# KiCad board clarinoid-devboard.kicad_pcb
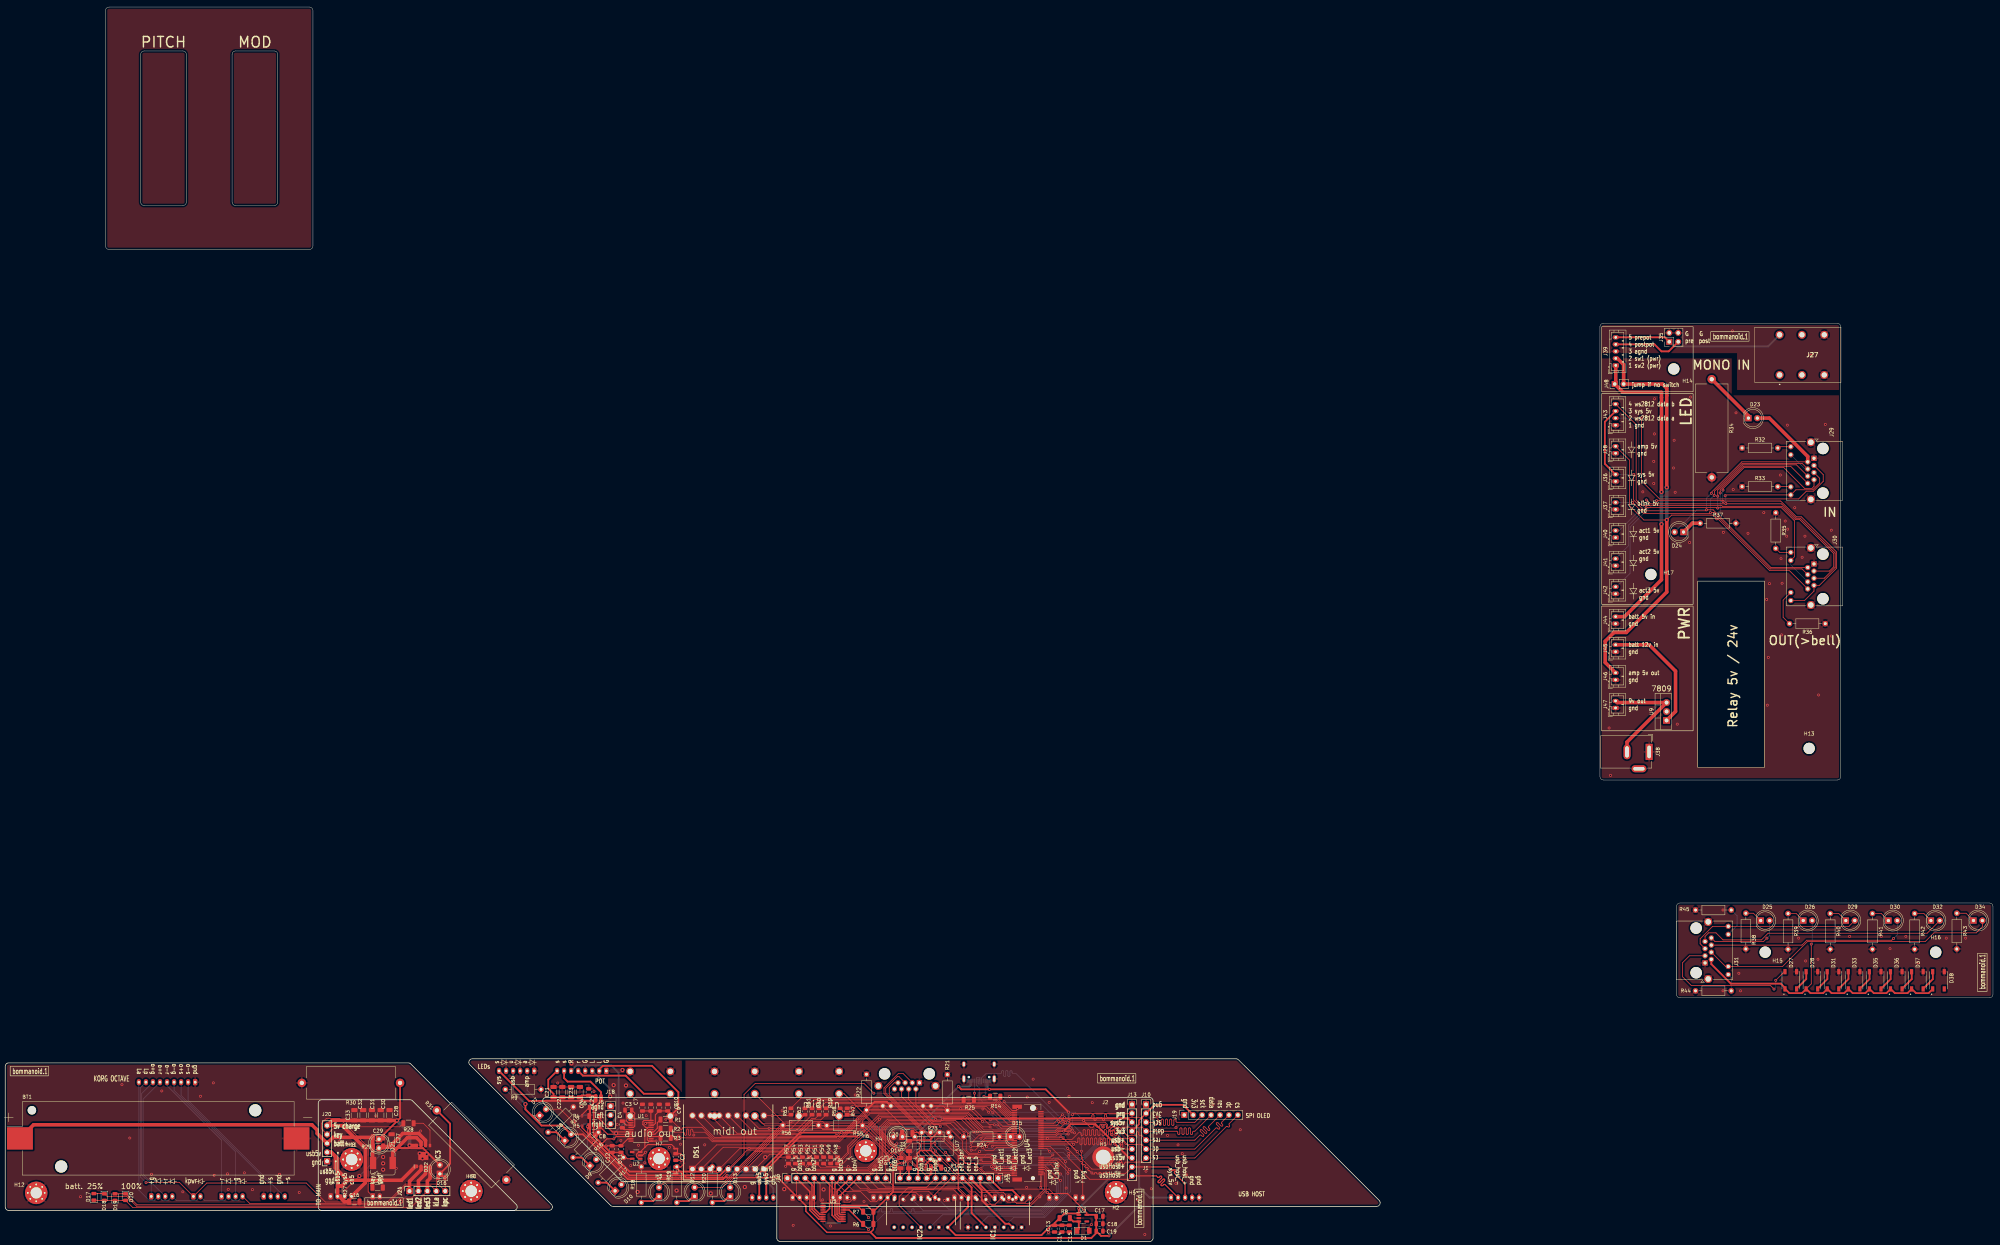
[diagram p0: board, top side]
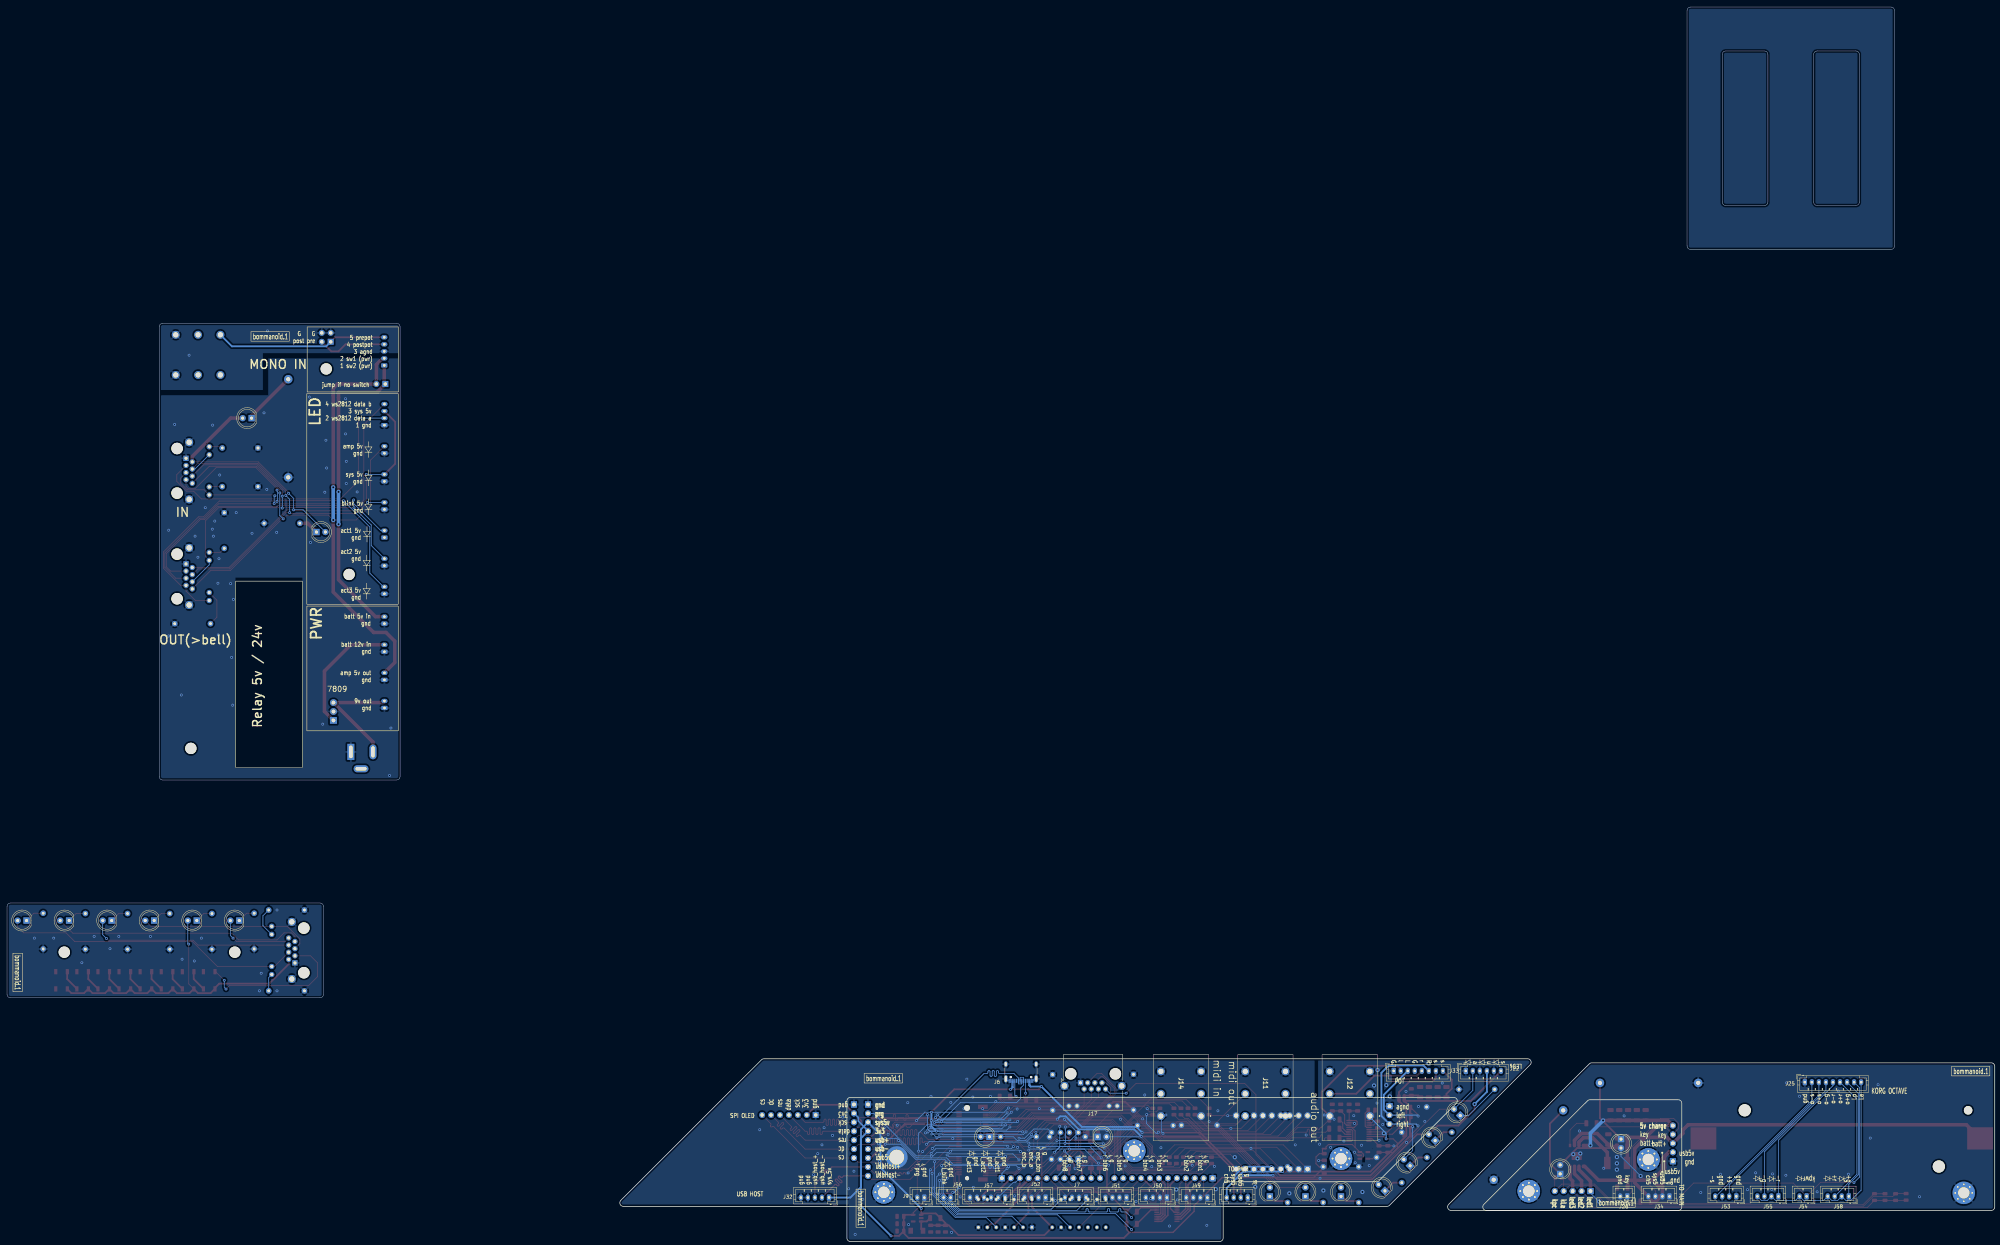
[diagram p1: board, bottom side, seen from below]

Outline 565.28 x 351.34 mm; copper layers: Top, Bottom. Coordinates in mm from the lower left corner of the outline.
Outline path: 132.83,52 131.91,51.38 132.13,50.29 172.13,10.29 172.45,10.08 172.83,10 390.01,10 390.93,10.62 390.71,11.71 350.71,51.71 350.39,51.92 350.01,52 closed ; 89,9.84 89.29,9.13 90,8.84 144.59,8.84 145.51,9.46 145.29,10.55 115.79,40.05 115.47,40.26 115.09,40.34 90,40.34 89.29,40.05 89,39.34 closed ; 115.29,50.55 114.97,50.76 114.59,50.84 1,50.84 0.29,50.55 0,49.84 0,9.84 0.29,9.13 1,8.84 154.59,8.84 155.51,9.46 155.29,10.55 closed ; 175.83,17 175.45,17.08 175.13,17.29 153.13,39.29 152.91,40.38 153.83,41 325.42,41 326.13,40.71 326.42,40 326.42,1 326.13,0.29 325.42,0 220.42,0 219.71,0.29 219.42,1 219.42,16 219.13,16.71 218.42,17 closed ; 28.5,350.34 arc(28.79,351.05) 29.5,351.34 86.5,351.34 arc(87.21,351.05) 87.5,350.34 87.5,283.34 arc(87.21,282.63) 86.5,282.34 29.5,282.34 arc(28.79,282.63) 28.5,283.34 28.5,350.34 ; 38.5,337.84 arc(38.79,338.55) 39.5,338.84 50.5,338.84 arc(51.21,338.55) 51.5,337.84 51.5,295.84 arc(51.21,295.13) 50.5,294.84 39.5,294.84 arc(38.79,295.13) 38.5,295.84 38.5,337.84 ; 64.5,337.84 arc(64.79,338.55) 65.5,338.84 76.5,338.84 arc(77.21,338.55) 77.5,337.84 77.5,295.84 arc(77.21,295.13) 76.5,294.84 65.5,294.84 arc(64.79,295.13) 64.5,295.84 64.5,337.84 ; 453.5,260.34 453.5,132.34 arc(453.79,131.63) 454.5,131.34 521,131.34 arc(521.71,131.63) 522,132.34 522,260.34 arc(521.71,261.05) 521,261.34 454.5,261.34 arc(453.79,261.05) 453.5,260.34 ; 475.28,95.34 arc(475.57,96.05) 476.28,96.34 564.28,96.34 arc(564.98,96.05) 565.28,95.34 565.28,70.34 arc(564.98,69.63) 564.28,69.34 476.28,69.34 arc(475.57,69.63) 475.28,70.34 475.28,95.34
Stack: Top 0.035mm / dielectric 1.51mm FR4 er 4.5 / Bottom 0.035mm

## Placement (name value [footprint] x y rotation side)
BT1  Battery_Cell  [BatteryHolder_Keystone_1042_1x18650]  43.5 29.34 0 top
C1  10uF  [C_0805_2012Metric]  190.68 20.25 270 top
C2  0.1uF  [C_0805_2012Metric]  190.68 24.05 270 top
C3  2.2uF  [C_0805_2012Metric]  177.19 37.4 0 top
C4  2.2uF  [C_0805_2012Metric]  175.5 33.3 90 top
C5  2.2uF  [C_0805_2012Metric]  167.09 38.2 0 top
C6  10uF  [C_0805_2012Metric]  185.99 38.1 90 top
C7  10uF  [C_0805_2012Metric]  181.19 38.1 270 top
C8  2.2uF  [C_0805_2012Metric]  167.04 30.3 0 top
C9  0.1uF  [C_0805_2012Metric]  188.39 38.1 90 top
C10  0.1uF  [C_0805_2012Metric]  183.59 38.1 270 top
C11  10uF  [C_0805_2012Metric]  175.09 26.3 90 top
C12  0.1uF  [C_0805_2012Metric]  172.59 26.3 90 top
C13  10uF  [C_0805_2012Metric]  298.39 3.65 270 top
C14  0.22uF  [C_0805_2012Metric]  300.49 3.65 270 top
C15  0.1uF  [C_0805_2012Metric]  302.59 3.65 270 top
C16  10uF  [C_1206_3216Metric]  99.27 11.34 0 top
C17  1uF  [C_0805_2012Metric]  311.21 7.15 0 top
C18  0.22uF  [C_0805_2012Metric]  311.21 5.05 0 top
C19  0.1uF  [C_0805_2012Metric]  311.21 2.95 0 top
C20  0.1uF  [C_1206_3216Metric]  256.52 30.9 180 top
C21  22uF  [C_1206_3216Metric]  155.92 42.5 90 top
C22  22uF  [C_1206_3216Metric]  158.42 42.5 90 top
C23  22uF  [C_1206_3216Metric]  160.92 42.5 90 top
C24  22uF  [C_1206_3216Metric]  163.42 42.5 90 top
C25  0.1uF  [C_0805_2012Metric]  165.92 42.5 90 top
C26  10uF  [C_1206_3216Metric]  105.9 15.34 0 top
C27  22uF  [C_1206_3216Metric]  109.88 29.04 90 top
C28  22uF  [C_1206_3216Metric]  109.27 35.94 90 top
C29  22uF  [C_1206_3216Metric]  105.97 29.64 0 top
C30  22uF  [C_1206_3216Metric]  106.77 35.94 90 top
C31  22uF  [C_1206_3216Metric]  104.27 35.94 90 top
C32  22uF  [C_1206_3216Metric]  101.77 35.94 90 top
C33  0.1uF  [C_1206_3216Metric]  99.27 35.94 90 top
D1  3.3v  [D_MiniMELF]  306.53 3.05 0 top
D2  1N4148WS  [D_SOD-323]  260.72 21 180 top
D7  LED  [LED_D5.0mm_withbottomtext]  151.98 35.85 45 top
D8  LED  [LED_D5.0mm_withbottomtext]  159.12 28.7 45 top
D9  LED  [LED_D5.0mm_withbottomtext]  166.27 21.56 45 top
D10  LED  [LED_D5.0mm_withbottomtext]  173.42 14.41 45 top
D11  LED  [LED_D5.0mm_withbottomtext]  185.92 12.84 90 top
D12  LED  [LED_D5.0mm_withbottomtext]  196.03 12.84 90 top
D13  LED  [LED_D5.0mm_withbottomtext]  206.14 12.84 90 top
D14  LED  [LED_D5.0mm_withbottomtext]  255.14 29.8 180 top
D15  LED  [LED_D5.0mm_withbottomtext]  285.86 29.8 0 top
D16  korgpwr  [LED_0805_2012Metric]  124.07 18.24 180 top
D17  25%  [LED_0805_2012Metric]  25.2 12.7 90 top
D18  50%  [LED_0805_2012Metric]  28.2 12.64 270 top
D19  75%  [LED_0805_2012Metric]  31.2 12.64 90 top
D20  100%  [LED_0805_2012Metric]  34.2 12.64 270 top
D21  LED  [LED_D5.0mm_withbottomtext]  106.28 29.14 270 top
D22  LED  [LED_D5.0mm_withbottomtext]  123.58 19.24 90 top
D23  LED  [LED_D5.0mm_withbottomtext]  495.72 234.34 0 top
D24  LED  [LED_D5.0mm_withbottomtext]  477.28 201.92 180 top
D25  LED  [LED_D5.0mm_withbottomtext]  499.22 91.34 0 top
D26  LED  [LED_D5.0mm_withbottomtext]  511.32 91.34 0 top
D27  WS2812B  [LED_WS2812B-B Worldsemi]  507.78 74.34 90 top
D28  WS2812B  [LED_WS2812B-B Worldsemi]  513.78 74.34 90 top
D29  LED  [LED_D5.0mm_withbottomtext]  523.42 91.34 0 top
D30  LED  [LED_D5.0mm_withbottomtext]  535.53 91.34 0 top
D31  WS2812B  [LED_WS2812B-B Worldsemi]  519.78 74.34 90 top
D32  LED  [LED_D5.0mm_withbottomtext]  547.62 91.34 0 top
D33  WS2812B  [LED_WS2812B-B Worldsemi]  525.78 74.34 90 top
D34  LED  [LED_D5.0mm_withbottomtext]  559.72 91.34 0 top
D35  WS2812B  [LED_WS2812B-B Worldsemi]  531.78 74.34 90 top
D36  WS2812B  [LED_WS2812B-B Worldsemi]  537.78 74.34 90 top
D37  WS2812B  [LED_WS2812B-B Worldsemi]  543.78 74.34 90 top
D38  WS2812B  [LED_WS2812B-B Worldsemi]  549.78 74.34 90 top
DS1  PDC54-11GWA  [DIPS1524W75P254L2520H805Q18N]  195.42 20.6 90 top
H1  M.2 riser 2.5mm  [Sinhoo SMTSO2530CTJ]  312.26 24 0 top
H2  MountingHole_Pad  [MountingHole_3.2mm_M3_Pad_Via]  315.92 14 0 top
H3  MountingHole_Pad  [MountingHole_3.2mm_M3_Pad_Via]  185.92 23.6 0 top
H4  MountingHole_Pad  [MountingHole_3.2mm_M3_Pad_Via]  244.72 25.8 0 top
H5  MountingHole_Pad  [MountingHole_3.2mm_M3_Pad_Via]  315.92 14 0 top
H6  MountingHole_Pad  [MountingHole_3.2mm_M3_Pad_Via]  244.72 25.8 0 top
H7  MountingHole_Pad  [MountingHole_3.2mm_M3_Pad_Via]  185.92 23.6 0 top
H8  MountingHole_Pad  [MountingHole_3.2mm_M3_Pad_Via]  98.5 23.34 0 top
H9  MountingHole_Pad  [MountingHole_3.2mm_M3_Pad_Via]  132.5 14.34 0 top
H10  MountingHole_Pad  [MountingHole_3.2mm_M3_Pad_Via]  132.5 14.34 0 top
H11  MountingHole_Pad  [MountingHole_3.2mm_M3_Pad_Via]  98.5 23.34 0 top
H12  MountingHole_Pad  [MountingHole_3.2mm_M3_Pad_Via]  8.8 13.84 0 top
H13  MountingHole_Pad  [MountingHole_3.2mm_M3]  513 140.34 0 top
H14  MountingHole_Pad  [MountingHole_3.2mm_M3]  474.5 248.34 0 top
H15  MountingHole_Pad  [MountingHole_3.2mm_M3]  500.5 82.34 0 top
H16  MountingHole  [MountingHole_3.2mm_M3]  549 82.34 0 top
H17  MountingHole_Pad  [MountingHole_3.2mm_M3]  468 189.84 0 top
IC1  SN74AHCT125N  [DIP794W53P254L1930H508Q14N]  281.42 8 90 top
IC2  SN74AHCT125N  [DIP794W53P254L1930H508Q14N]  260.42 8 270 top
IC3  Injoinic IP5306 battery charge  [SOIC127P599X155-9N (IP5306)]  118.88 24.34 90 top
J1  Conn_01x07  [PinHeader_1x07_P2.54mm_Vertical]  324.42 39 0 top
J2  Conn_01x09  [PinHeader_1x09_P2.54mm_Vertical]  320.42 39 0 top
J3  Conn_01x12  [PinHeader_1x12_P2.54mm_Vertical]  282.36 18 270 top
J4  Conn_01x12  [PinHeader_1x12_P2.54mm_Vertical]  222.44 18 90 top
J5  Conn_01x03  [PinHeader_1x03_P2.54mm_Vertical]  172.12 38.5 0 top
J6  XKB_U262-16XN-4BVC11 USB-C recept  [USB_C_Receptacle_XKB_U262-16XN-4BVC11]  276.92 49.4 0 bottom
J7  Conn_01x04  [JST_PH_B4B-PH-K_1x04_P2.00mm_Vertical]  258.42 12.5 0 bottom
J8  Conn_01x04  [JST_PH_B4B-PH-K_1x04_P2.00mm_Vertical]  212.42 12.5 0 bottom
J9  Conn_01x02  [JST_PH_B2B-PH-K_1x02_P2.00mm_Vertical]  304.42 12.5 0 bottom
J10  Conn_01x07  [PinSocket_1x07_P2.54mm_Vertical]  324.42 39 0 top
J11  Amphenol ACJS-MHOM  [ACJSMHOM]  201.7 35.7 90 bottom
J12  Amphenol ACJS-MHOM  [ACJSMHOM]  177.7 35.7 90 bottom
J13  Conn_01x09  [PinSocket_1x09_P2.54mm_Vertical]  320.42 39 0 top
J14  Amphenol ACJS-MHOM  [ACJSMHOM]  225.7 35.7 90 bottom
J15  Conn_01x12  [PinSocket_1x12_P2.54mm_Vertical]  282.36 18 270 top
J16  Conn_01x12  [PinSocket_1x12_P2.54mm_Vertical]  222.42 18 90 top
J17  RJ45_LED_Shielded  [RJ45_Amphenol_RJHSE538X]  259.98 45.18 180 bottom
J18  Conn_01x03  [PinSocket_1x03_P2.54mm_Vertical]  172.12 38.5 0 top
J19  Conn_01x07  [PinSocket_1x07_P2.54mm_Vertical]  335.3 36 90 top
J20  Conn_01x05  [PinSocket_1x05_P2.54mm_Vertical]  91.52 22.84 180 top
J21  Conn_01x05  [PinSocket_1x05_P2.54mm_Vertical]  114.96 14.34 90 top
J22  Conn_01x06  [JST_PH_B6B-PH-K_1x06_P2.00mm_Vertical]  150.42 48.55 180 bottom
J23  Conn_01x05  [PinSocket_1x05_P2.54mm_Vertical]  91.52 22.84 180 top
J24  Conn_01x05  [PinSocket_1x05_P2.54mm_Vertical]  114.96 14.34 90 top
J25  Conn_01x09  [JST_PH_B9B-PH-K_1x09_P2.00mm_Vertical]  54 45.34 180 bottom
J26  Conn_01x02  [JST_PH_B2B-PH-K_1x02_P2.00mm_Vertical]  104.5 12.84 0 bottom
J27  Amphenol ACJS-MHOM  [ACJSMHOM]  504.6 246.62 0 top
J28  Conn_01x02  [JST_PH_B2B-PH-K_1x02_P2.00mm_Vertical]  457.95 224.34 90 top
J29  RJ45_LED_Shielded  [RJ45_Amphenol_RJHSE538X]  514.38 222.9 270 top
J30  RJ45_LED_Shielded  [RJ45_Amphenol_RJHSE538X]  514.38 192.84 270 top
J31  RJ45_LED_Shielded  [RJ45_Amphenol_RJHSE538X]  483.4 79.28 90 top
J32  USB_A  [JST_PH_B5B-PH-K_1x05_P2.00mm_Vertical]  331.52 12.5 0 bottom
J33  Conn_01x08  [JST_PH_B8B-PH-K_1x08_P2.00mm_Vertical]  170.92 48.55 180 bottom
J34  Conn_01x04  [JST_PH_B4B-PH-K_1x04_P2.00mm_Vertical]  92.5 12.84 0 bottom
J35  Conn_02x02_Odd_Even  [PinHeader_2x02_P2.54mm_Vertical]  473.22 256.06 90 top
J36  Conn_01x02  [JST_PH_B2B-PH-K_1x02_P2.00mm_Vertical]  457.95 216.34 90 top
J37  Conn_01x02  [JST_PH_B2B-PH-K_1x02_P2.00mm_Vertical]  457.95 208.34 90 top
J38  Barrel_Jack_MountingPin  [BarrelJack_GCT_DCJ200-10-A_Horizontal]  467.5 139.34 270 top
J39  Conn_01x03  [JST_PH_B5B-PH-K_1x05_P2.00mm_Vertical]  458 249.34 90 top
J40  Conn_01x02  [JST_PH_B2B-PH-K_1x02_P2.00mm_Vertical]  457.95 200.34 90 top
J41  Conn_01x02  [JST_PH_B2B-PH-K_1x02_P2.00mm_Vertical]  457.95 192.34 90 top
J42  Conn_01x02  [JST_PH_B2B-PH-K_1x02_P2.00mm_Vertical]  457.95 184.34 90 top
J43  Conn_01x04  [JST_PH_B4B-PH-K_1x04_P2.00mm_Vertical]  457.95 232.34 90 top
J44  Conn_01x02  [JST_PH_B2B-PH-K_1x02_P2.00mm_Vertical]  457.95 175.84 90 top
J45  Conn_01x02  [JST_PH_B2B-PH-K_1x02_P2.00mm_Vertical]  457.95 167.84 90 top
J46  Conn_01x02  [JST_PH_B2B-PH-K_1x02_P2.00mm_Vertical]  457.95 159.84 90 top
J47  Conn_01x02  [JST_PH_B2B-PH-K_1x02_P2.00mm_Vertical]  457.95 151.84 90 top
J48  Conn_01x02  [PinHeader_1x02_P2.54mm_Vertical]  457.7 244.04 90 top
J49  Conn_01x04  [JST_PH_B4B-PH-K_1x04_P2.00mm_Vertical]  223.92 12.5 0 bottom
J50  Conn_01x04  [JST_PH_B4B-PH-K_1x04_P2.00mm_Vertical]  235.42 12.5 0 bottom
J51  Conn_01x04  [JST_PH_B4B-PH-K_1x04_P2.00mm_Vertical]  246.92 12.5 0 bottom
J52  Conn_01x04  [JST_PH_B4B-PH-K_1x04_P2.00mm_Vertical]  269.92 12.5 0 bottom
J53  Conn_01x04  [JST_PH_B4B-PH-K_1x04_P2.00mm_Vertical]  73.5 12.84 0 bottom
J54  Conn_01x02  [JST_PH_B2B-PH-K_1x02_P2.00mm_Vertical]  53.5 12.84 0 bottom
J55  Conn_01x04  [JST_PH_B4B-PH-K_1x04_P2.00mm_Vertical]  61.5 12.84 0 bottom
J56  Conn_01x02  [JST_PH_B2B-PH-K_1x02_P2.00mm_Vertical]  296.92 12.5 0 bottom
J57  Conn_01x06  [JST_PH_B6B-PH-K_1x06_P2.00mm_Vertical]  281.42 12.5 0 bottom
J58  Conn_01x04  [JST_PH_B4B-PH-K_1x04_P2.00mm_Vertical]  41.5 12.84 0 bottom
L1  1uH-psa  [Inductor_MCS0630-1R0MN2]  107.38 25.74 180 top
NT1  NetTie_2  [NetTie-2_SMD_Pad0.5mm]  190.68 26.43 180 top
NT2  NetTie_2  [NetTie-2_SMD_Pad1.0mm]  471 241.34 270 top
NT3  NetTie_2  [NetTie-2_SMD_Pad1.0mm]  472.5 241.84 270 top
NT4  NetTie_2  [NetTie-2_SMD_Pad1.0mm]  169.42 41.15 270 top
NT5  NetTie_2  [NetTie-2_SMD_Pad1.0mm]  167.92 41.15 270 top
R1  22R  [R_1206_3216Metric]  187.8 34.7 180 top
R2  22R  [R_1206_3216Metric]  187.8 32.1 180 top
R3  22R  [R_1206_3216Metric]  187.8 29.5 180 top
R4  470R  [R_1206_3216Metric]  167.54 35.7 180 top
R5  470R  [R_1206_3216Metric]  167.54 32.8 180 top
R6  4.7k  [R_1206_3216Metric]  245.42 5 0 top
R7  4.7k  [R_1206_3216Metric]  245.42 8.5 0 top
R8  100k  [R_1206_3216Metric]  301.3 6.65 180 top
R9  R  [R_Axial_DIN0207_L6.3mm_D2.5mm_P10.16mm_Horizontal]  142.22 43.3 0 top
R10  220R  [R_1206_3216Metric]  264.72 21 0 top
R11  470R  [R_1206_3216Metric]  257.02 27.2 90 top
R12  47R  [R_1206_3216Metric]  257.02 22.3 90 top
R13  47R  [R_1206_3216Metric]  254.52 22.3 90 top
R14  5.1k  [R_1206_3216Metric]  281.52 41.2 180 top
R15  R  [R_Axial_DIN0207_L6.3mm_D2.5mm_P10.16mm_Horizontal]  154.38 31.11 45 top
R16  R  [R_Axial_DIN0207_L6.3mm_D2.5mm_P10.16mm_Horizontal]  161.47 23.9 45 top
R17  R  [R_Axial_DIN0207_L6.3mm_D2.5mm_P10.16mm_Horizontal]  168.62 16.75 45 top
R18  R  [R_Axial_DIN0207_L6.3mm_D2.5mm_P10.16mm_Horizontal]  180.87 11.1 90 top
R19  R  [R_Axial_DIN0207_L6.3mm_D2.5mm_P10.16mm_Horizontal]  190.97 11.1 90 top
R20  R  [R_Axial_DIN0207_L6.3mm_D2.5mm_P10.16mm_Horizontal]  201.08 11.1 90 top
R21  R  [R_Axial_DIN0207_L6.3mm_D2.5mm_P10.16mm_Horizontal]  267.92 47.5 270 top
R22  R  [R_Axial_DIN0207_L6.3mm_D2.5mm_P10.16mm_Horizontal]  244.92 47.58 270 top
R23  R  [R_Axial_DIN0207_L6.3mm_D2.5mm_P10.16mm_Horizontal]  258.64 29.8 0 top
R24  R  [R_Axial_DIN0207_L6.3mm_D2.5mm_P10.16mm_Horizontal]  282.72 29.8 180 top
R25  5.1k  [R_1206_3216Metric]  274.02 40.3 0 top
R27  2R  [R_1206_3216Metric]  94.88 14.34 270 top
R28  10k  [R_1206_3216Metric]  114.67 33.64 180 top
R29  0.5R  [R_1206_3216Metric]  105.97 27.04 0 top
R30  R  [R_Axial_Power_L25.0mm_W9.0mm_P27.94mm]  112.27 45.14 180 top
R31  R  [R_Axial_Power_L25.0mm_W9.0mm_P27.94mm]  122.72 37.32 315 top
R32  R  [R_Axial_DIN0207_L6.3mm_D2.5mm_P10.16mm_Horizontal]  493.92 225.84 0 top
R33  R  [R_Axial_DIN0207_L6.3mm_D2.5mm_P10.16mm_Horizontal]  493.92 214.84 0 top
R34  R  [R_Axial_Power_L25.0mm_W9.0mm_P27.94mm]  485.3 245.41 270 top
R35  R  [R_Axial_DIN0207_L6.3mm_D2.5mm_P10.16mm_Horizontal]  503.5 207.42 270 top
R36  R  [R_Axial_DIN0207_L6.3mm_D2.5mm_P10.16mm_Horizontal]  517.58 175.84 180 top
R37  R  [R_Axial_DIN0207_L6.3mm_D2.5mm_P10.16mm_Horizontal]  482 204.42 0 top
R38  R  [R_Axial_DIN0207_L6.3mm_D2.5mm_P10.16mm_Horizontal]  495 93.42 270 top
R39  R  [R_Axial_DIN0207_L6.3mm_D2.5mm_P10.16mm_Horizontal]  507 93.34 270 top
R40  R  [R_Axial_DIN0207_L6.3mm_D2.5mm_P10.16mm_Horizontal]  519 93.34 270 top
R41  R  [R_Axial_DIN0207_L6.3mm_D2.5mm_P10.16mm_Horizontal]  531 93.34 270 top
R42  R  [R_Axial_DIN0207_L6.3mm_D2.5mm_P10.16mm_Horizontal]  543 93.34 270 top
R43  R  [R_Axial_DIN0207_L6.3mm_D2.5mm_P10.16mm_Horizontal]  555 93.42 270 top
R44  R  [R_Axial_DIN0207_L6.3mm_D2.5mm_P10.16mm_Horizontal]  480.69 71.34 0 top
R45  R  [R_Axial_DIN0207_L6.3mm_D2.5mm_P10.16mm_Horizontal]  480.69 94.34 0 top
R47  220  [R_0805_2012Metric]  239.42 37 270 top
R48  220  [R_0805_2012Metric]  236.72 23.1 90 top
R49  220  [R_0805_2012Metric]  234.72 23.1 90 top
R50  220  [R_0805_2012Metric]  232.72 23.1 90 top
R51  220  [R_0805_2012Metric]  230.72 23.1 90 top
R52  220  [R_0805_2012Metric]  228.72 23.1 90 top
R53  220  [R_0805_2012Metric]  226.72 23.1 90 top
R54  220  [R_0805_2012Metric]  224.72 23.1 90 top
R55  R  [R_Axial_DIN0207_L6.3mm_D2.5mm_P10.16mm_Horizontal]  233.64 33 0 top
R56  R  [R_Axial_DIN0207_L6.3mm_D2.5mm_P10.16mm_Horizontal]  221.14 33.1 0 top
R57  220  [R_0805_2012Metric]  222.72 23.1 90 top
R58  220  [R_0805_2012Metric]  237.42 37 90 top
R59  220  [R_0805_2012Metric]  233.42 37 90 top
R60  220  [R_0805_2012Metric]  231.42 37 90 top
R61  220  [R_0805_2012Metric]  229.42 37 90 top
R62  220  [R_0805_2012Metric]  227.42 37 90 top
R63  220  [R_0805_2012Metric]  223.42 37 90 top
U1  PCM5102A  [TSSOP-20_4.4x6.5mm_P0.65mm]  180.8 31.5 0 top
U2  TLV75733PDBV  [SOT-23-5]  179.42 24.5 180 top
U3  TLV75733PDBV  [SOT-23-5]  306.43 6.65 0 top
U4  APCI0108-P001A Teensy_4.0_MicroMod  [APCI0108-P001A M.2 MicroMod 21992304]  290.61 28 90 top
U5  TCA9554PW  [TSSOP-16_4.4x5mm_P0.65mm]  235.42 8 0 top
U6  Micromod outline  [Teensy_4.0_MicroMod outline fab]  294.76 25.3 0 top
U7  6N138  [DIP-8_W7.62mm]  260.62 23.4 90 top
U8  ssd1306_graphic  [SSD1306_128x64_approximate]  328.92 37.5 0 top
U9  LM7809_TO220  [TO-220-3_Vertical]  472.44 148.3 90 top

## Library data of the parts
C1 C6 C7 C11 C13 = -: LCSC: C15850; LCSC part number: C15850; verif: 1
C2 C9 C10 C12 C15 C19 C20 C25 = -: LCSC: C49678; LCSC part number: C49678; verif: 1
C3-C5 C8 = -: LCSC: C49217; LCSC part number: C49217; verif: 1
C14 C18 = -: LCSC: C5378; LCSC part number: C5378; verif: 1
C16 C26 = -: LCSC: C13585; LCSC part number: C13585; verif: 1
C17 = -: LCSC: C28323; LCSC part number: C28323; verif: 1
C21-C24 C31 C32 NT1 R27-R29 U8 = -: verif: 1
C27-C30 = -: LCSC: C12891; LCSC part number: C12891; verif: 1
C33 = -: LCSC: C24497; LCSC part number: C24497; verif: 1
D1 = -: LCSC: C393436; LCSC part number: C393436; verif: 1
D2 = -: LCSC: C2128; LCSC part number: C2128; verif: 1
D16-D20 = -: LCSC: C264424; LCSC part number: C264424; verif: 1
DS1 = -: Description: DISPLAY, ALPHANUM., 0.54" GREEN CATH; LED Color:Green; Forward Current If:20mA; Luminous Intensity:6.9mcd; No. of Digits / Alpha:2; Character Size:13.8mm; Supply Voltage:2.2V; Display Area Width:25.2mm; Character Format:14 Segment RoHS Compliant: Yes; Height: 8.05; Manufacturer_Name: Kingbright; Mouser Part Number: 604-PDC54-11GWA; Mouser Price/Stock: https://www.mouser.co.uk/ProductDetail/Kingbright/PDC54-11GWA?qs=oCgOJbGQ3O%2FPlZNPZrbTCw%3D%3D
H1 = -: LCSC: C2915630; LCSC part number: C2915630; verif: 1
IC1 IC2 = -: Description: Quadruple Bus Buffer Gates With 3-State Outputs; Height: 5.08; Manufacturer_Name: Texas Instruments; Mouser Part Number: 595-SN74AHCT125N; Mouser Price/Stock: https://www.mouser.co.uk/ProductDetail/Texas-Instruments/SN74AHCT125N?qs=1wQRf3HkBjyxwrHMwAiMfw%3D%3D
IC3 = -: LCSC: C181692; LCSC part number: C181692; verif: 1
J6 = -: LCSC: C319148; LCSC part number: C319148; verif: 1
J11 J12 J14 J27 = -: Description: Phone Connectors 1/4"HOR Snap-fit CHASSIS CONN; Height: 12.7; Manufacturer_Name: Amphenol; Manufacturer_Part_Number: ACJS-MHOM; Mouser Part Number: 523-ACJS-MHOM; Mouser Price/Stock: https://www.mouser.co.uk/ProductDetail/Amphenol-Audio/ACJS-MHOM?qs=t8VhaDIDl4vZ9ROsgrVY0w%3D%3D
L1 = -: LCSC: C385251; LCSC part number: C385251; verif: 1
R1-R3 = -: LCSC: C17958; LCSC part number: C17958; verif: 1
R4 R5 R11 = -: LCSC: C4502; LCSC part number: C4502; verif: 1
R6 R7 = -: LCSC: C17936; LCSC part number: C17936; verif: 1
R8 = -: LCSC: C17900; LCSC part number: C17900; verif: 1
R10 = -: LCSC: C17957; LCSC part number: C17957; verif: 1
R12 R13 = -: LCSC: C17969; LCSC part number: C17969; verif: 1
R14 R25 = -: LCSC: C26033; LCSC part number: C26033; verif: 1
U1 = -: LCSC: C107671; LCSC part number: C107671; verif: 1
U2 U3 = -: LCSC: C485517; LCSC part number: C485517; verif: 1
U4 = -: LCSC: C841659; LCSC part number: C841659; verif: 1
U6 = -: verif: 1; Field7: Teensy_4.0_MicroMod
U7 = -: LCSC: C571211; LCSC part number: C571211; verif: 1
